# Allegro board PROC048A_BRD.brd (continued)
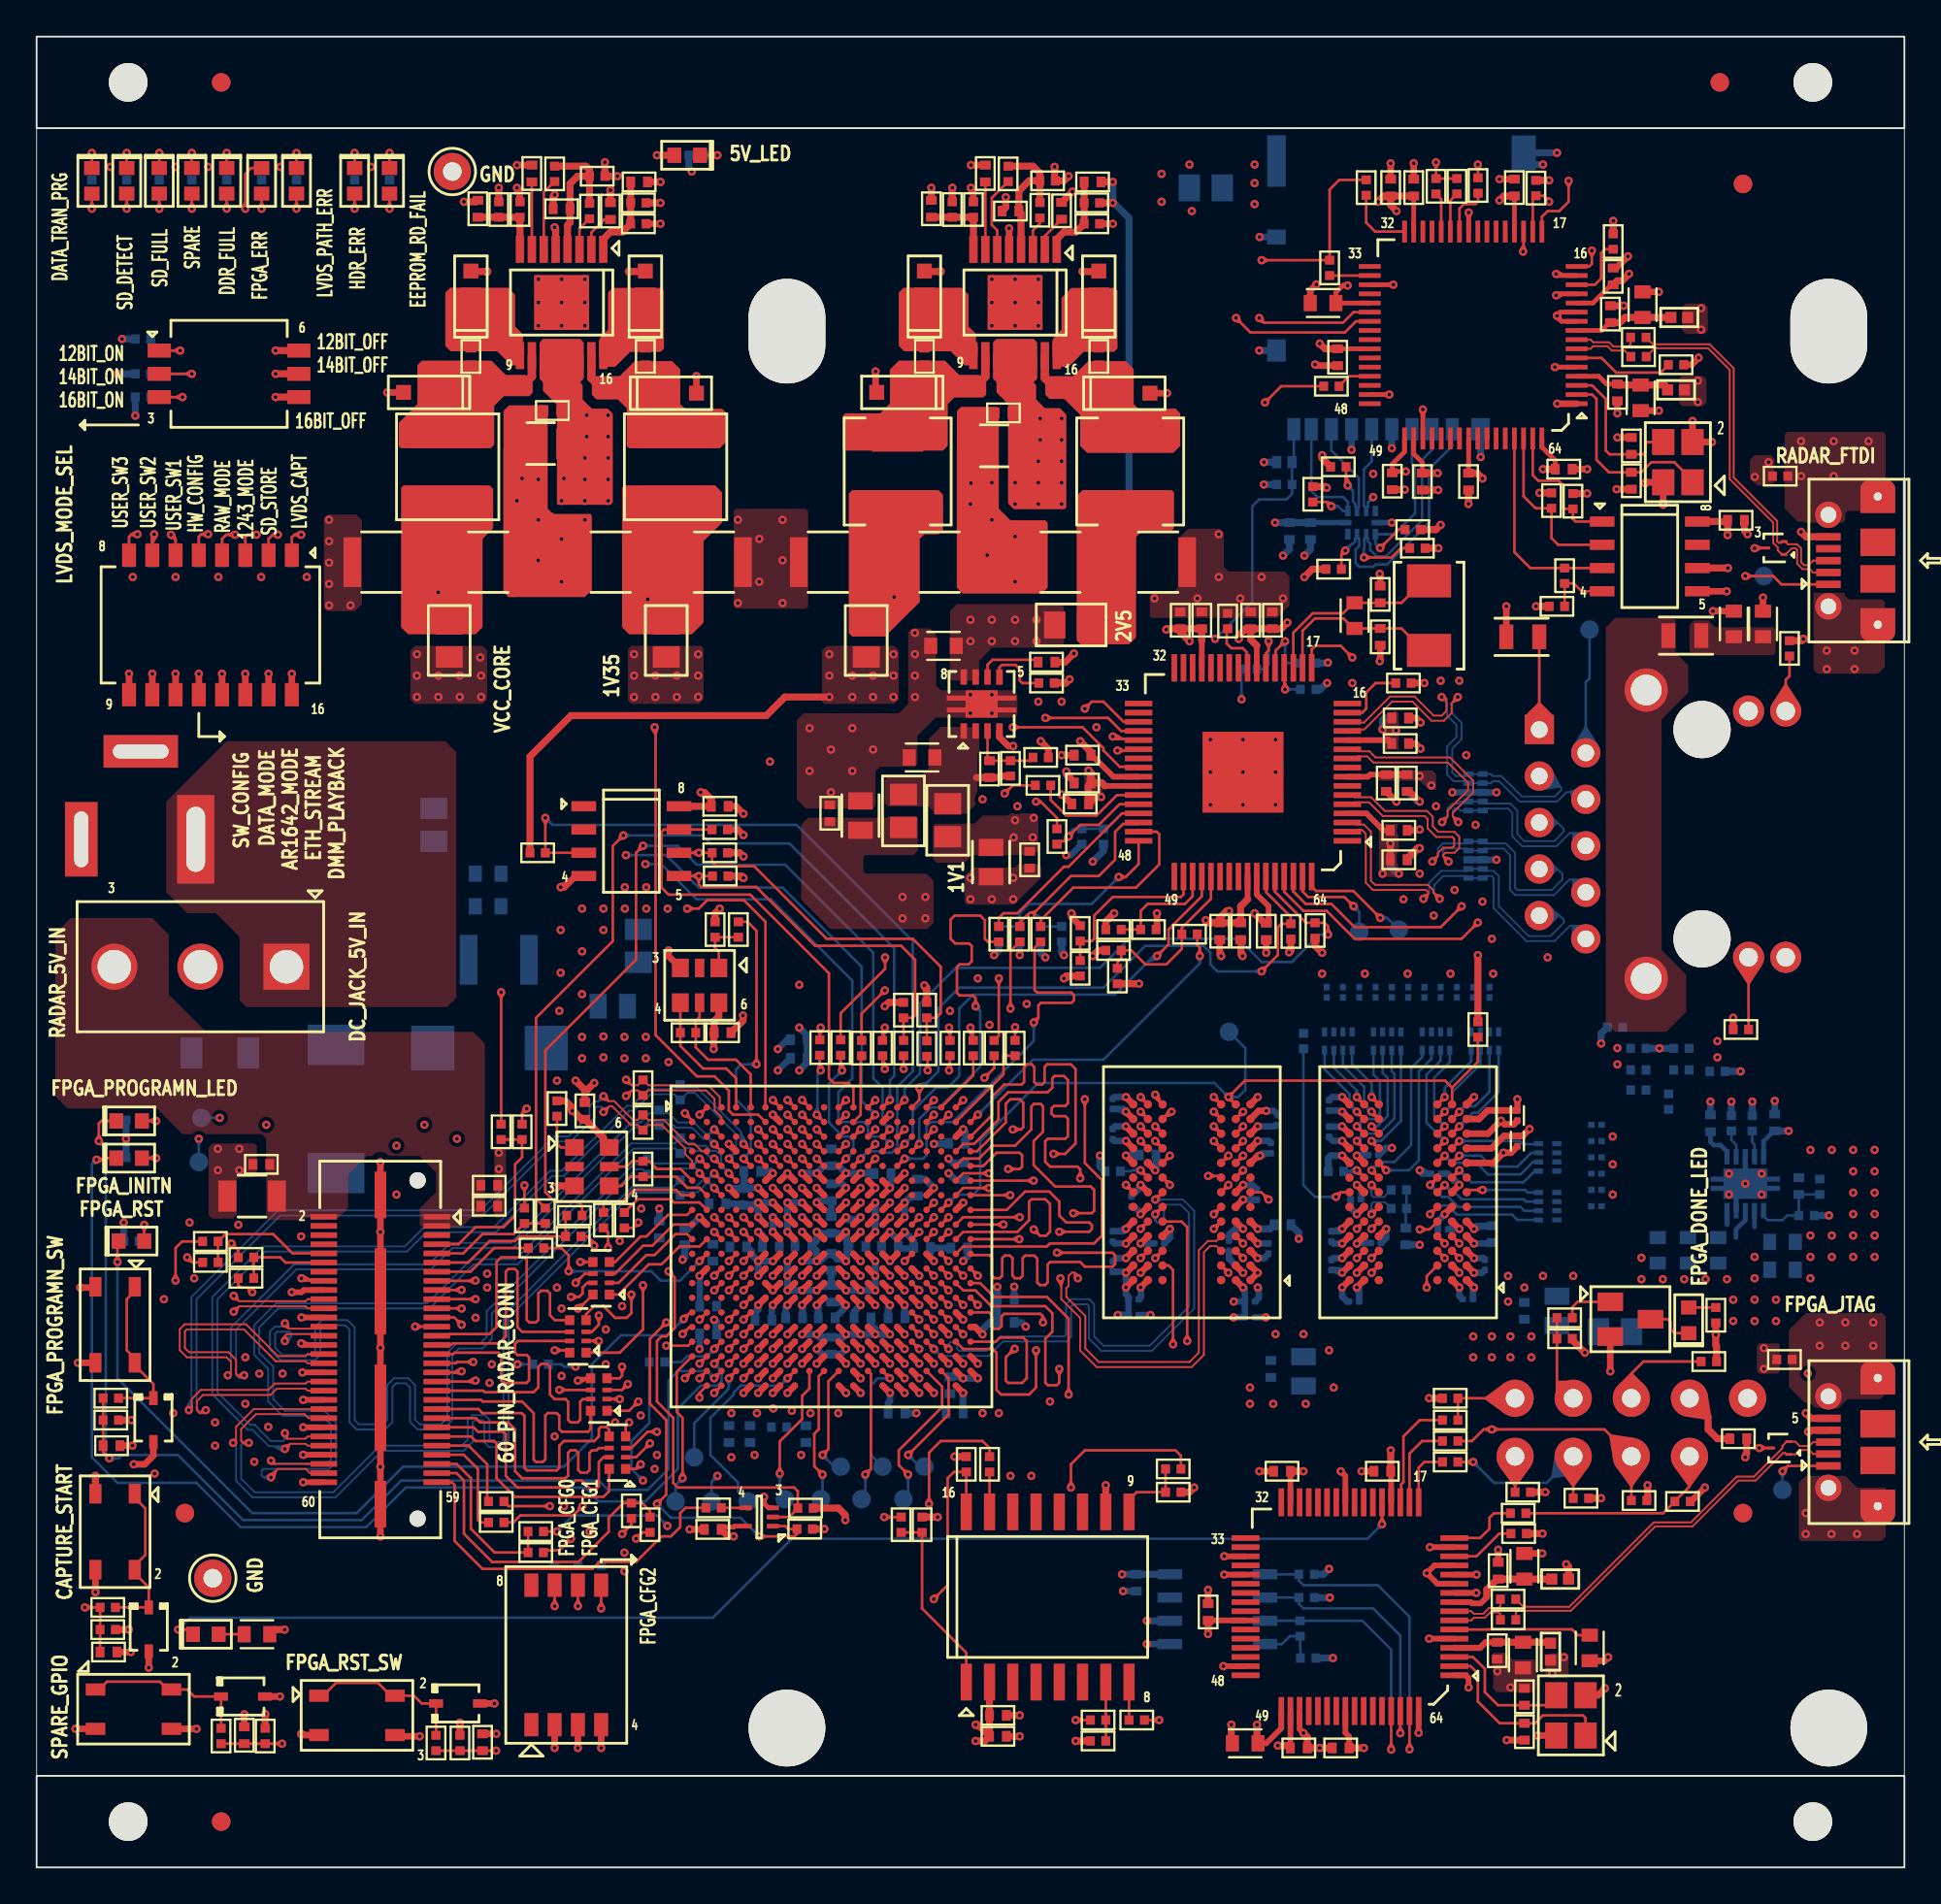
[diagram p0: board, top side]
## Routing (per net, layer and track width the routed paths; a pad name or vN(x,y) marks a point on that pad's centre or on a via; arc(x,y) is an arc through that point) (continued)
ETH_D3N: length 20.9
  TOP w0.102: U6.14 71.81,62.57 71.85,62.53 72.48,62.53 73.91,63.95 75.25,63.95 76.29,62.91 76.74,62.91 76.99,63.17 76.99,63.83 76.89,63.93 v1(76.73,63.93)
  BOTTOM w0.102: J6.4 83.76,58.76 83.53,58.72 83.03,58.21 80.99,58.21 79.88,59.33 79.52,59.33 79.41,59.22 U17.2 U17.9 78.09,59.33 77.39,59.33 77.03,59.69 77.03,61.24 77.54,61.74 77.54,62.4 77.03,62.91 77.03,63.62 v1(76.73,63.93)
ETH_D3P: length 20.9
  TOP w0.102: U6.13 71.77,62.07 71.85,62.15 72.5,62.15 74.02,63.67 75.14,63.67 76.18,62.63 76.85,62.63 77.27,63.05 77.27,63.58 v1(77.62,63.93)
  BOTTOM w0.102: v1(77.62,63.93) 77.31,63.62 77.31,63.03 77.82,62.52 77.82,61.63 77.31,61.12 77.31,59.8 77.5,59.61 78.09,59.61 U17.10 U17.1 79.41,59.72 79.52,59.61 79.99,59.61 81.11,58.49 82.91,58.49 83.26,58.85 83.26,58.99 83.23,59.03 J6.3
ETH_INT: length 36
  TOP w0.14: U6.60 67.63,53.29 69.32,51.6 R58.2 70.33,51.6 70.53,51.4 v1(70.53,50.95) ; U12.A15 v1(47.4,41.91)
  BOTTOM w0.14: v1(47.4,41.91) 47.4,42.53 48.24,43.37 48.24,47.18 50.2,49.13 58.07,49.13 59.66,50.72 65.63,50.72 66.9,49.45 68.55,49.45 70.05,50.95 v1(70.53,50.95)
FB1_REGA: length 4.7
  TOP w0.381: U1.1 30.94,88.94 31.34,89.33 31.99,89.33 R18.1 R10.2 C5.2
FB1_REGB: length 4.7
  TOP w0.381: C6.2 R11.2 R19.1 56.76,89.33 56.1,89.33 55.71,88.94 U2.1
FB2_REGA: length 4.1
  TOP w0.381: C10.2 R12.2 R13.1 U1.8
FB2_REGB: length 4.1
  TOP w0.381: U2.8 R15.1 R14.2 C11.2
FPGA_DDR3_CLK_IN_N: length 7.9
  TOP w0.14: U12.A5 39,43.31 38.19,44.12 36.67,44.12 35.99,44.79 R71.2 35.99,46.23 36.2,46.44 U8.5
FPGA_DDR3_CLK_IN_P: length 7.7
  TOP w0.14: U8.4 R71.1 35.15,44.87 36.39,43.63 37.66,43.63 38.2,43.09 U12.A4
FPGA_ERR_LED2: length 77.8
  TOP w0.14: U12.D10 v1(42.6,39.51) ; v1(11.4,90.6) 11.4,92.5 11.72,92.82 LD5.1
  L03_SIG1 w0.107: v1(42.6,39.51) 42.99,39.51 43.43,39.95 43.43,41.31 43.43,42.23 43.58,42.39 43.58,58.01 43.91,58.34 43.91,73.07 42.89,74.09 27.53,74.09 11.4,90.22 v1(11.4,90.6)
FPGA_HOST_INT: length 45.2
  TOP w0.14: R97.1 7.95,34.19 7.59,33.83 v1(7.59,32.05) ; U12.M3 v1(37,32.31)
  L03_SIG1 w0.107: v1(28.29,23.54) 16.22,23.54 14.95,24.81 11.02,24.81 7.59,28.24 v1(7.59,32.05)
  L08_SIG2 w0.107: v1(37,32.31) 36.61,31.92 34.64,31.92 30.96,28.24 29.18,28.24 28.03,27.1 28.03,23.8 v1(28.29,23.54)
FPGA_MCU_RSTN: length 25.4
  TOP w0.14: U12.N3 v1(37,31.51) ; v1(34.38,29.76) 33.5,28.88 33.5,25.32 34.38,24.43 34.38,20.37 v1(33.88,19.86) ; v1(39.46,18.08) 41.39,18.08 41.53,18.22 R147.2 41.04,18.48 40.88,18.64 U13.1
  L08_SIG2 w0.107: v1(34.38,29.76) 34.38,30.65 35.25,31.51 v1(37,31.51)
  BOTTOM w0.14: v1(39.46,18.08) 38.45,19.1 34.64,19.1 v1(33.88,19.86)
FPGA_RST: length 80.5
  TOP w0.14: v1(25.09,6.38) C96.2 R162.2 R161.1 ; v1(4.41,33.07) 4.41,34.15 LD13.1 ; U12.R1 35.7,30.31 v1(35.34,29.96)
  L03_SIG1 w0.107: v1(25.09,6.38) 27.16,8.45 27.16,14.67 32.99,20.49 33.24,20.49 34.77,22.02 34.77,27.22 35.27,27.73 35.27,28.49 35.78,29 35.78,29.51 v1(35.34,29.96)
  BOTTOM w0.14: v1(35.34,29.96) 34.45,29.07 31.91,29.07 30.32,27.48 30.32,23.41 28.8,21.89 20.02,21.89 17.48,19.35 11.78,19.35 4.41,26.72 v1(4.41,33.07)
FPGA_SPI_CS: length 29.7
  TOP w0.14: U12.E13 v1(45.8,38.71) ; R86.1 26.51,41.19 v1(26.76,41.45)
  L08_SIG2 w0.107: v1(45.8,38.71) 45.42,38.33 41.64,38.33 41.38,38.59 41.38,38.95 41.22,39.11 39.92,39.11 39.8,39.24 39.8,42.64 35.91,46.53 29.69,46.53 26.76,43.61 v1(26.76,41.45)
FPGA_SPI_MISO: length 67.3
  TOP w0.14: R90.1 11.01,33.7 v1(10.64,34.08) ; U12.D14 v1(46.6,39.51)
  L03_SIG1 w0.107: v1(33.24,54.8) 32.77,54.32 32.77,51.86 27.69,46.78 13.81,46.78 7.97,40.94 7.97,36.75 v1(10.64,34.08)
  BOTTOM w0.14: v1(46.6,39.51) 46.6,39.52 46.2,39.92 45.64,39.92 45.4,40.15 45.4,40.48 45.17,40.71 44.01,40.71 43.78,40.94 43.78,42.34 44.54,43.1 44.54,48.43 40.1,52.88 36.04,52.88 34.12,54.8 v1(33.24,54.8)
FPGA_SPI_MOSI: length 49.6
  TOP w0.14: R99.1 29.79,36.14 29.56,36.37 28.29,36.37 27.78,36.88 27.78,44.62 32.73,49.58 32.73,55.42 v1(33.11,55.8) ; U12.C14 v1(46.6,40.31)
  BOTTOM w0.14: v1(46.6,40.31) 46.2,40.72 46.2,42.59 45.69,43.1 45.69,49.96 40.88,54.76 36.06,54.76 35.02,55.8 v1(33.11,55.8)
FPGA_SPI_SCK: length 48.8
  TOP w0.14: U12.A14 v1(46.6,41.91) ; R92.1 27.27,36.52 27.27,46.4 31.46,50.59 31.46,55.79 v1(32.04,56.37)
  BOTTOM w0.14: v1(46.6,41.91) 46.6,43 46.83,43.23 46.83,50.21 41.12,55.93 36.8,55.93 36.36,56.37 v1(32.04,56.37)
FPGA_UART_RX: length 38.3
  TOP w0.14: R142.1 v1(28.42,18.34) ; U12.A13 v1(45.8,41.91)
  L03_SIG1 w0.107: v1(34.45,18.65) 36.67,20.87 36.67,25.04 38.22,26.59 38.22,30.07 38.44,30.3 38.72,30.3 38.98,30.56 38.98,37.23 39.26,37.51 42.74,37.51 43.15,37.92 43.15,38.2 44.08,39.13 44.36,39.13 45.38,40.16 45.38,41.49 v1(45.8,41.91)
  BOTTOM w0.14: v1(28.42,18.34) 29.3,19.22 33.88,19.22 v1(34.45,18.65)
FPGA_UART_TX: length 73.9
  TOP w0.14: v1(32.73,17.95) 33.08,18.3 R139.1 ; U12.B13 v1(45.8,41.11)
  L08_SIG2 w0.107: v1(32.73,17.95) 32.73,18.39 31.9,19.22 27.78,19.22 27.27,19.73 27.27,33.07 23.84,36.5 23.84,49.96 29.18,55.29 v1(32.18,55.29)
  BOTTOM w0.14: v1(32.18,55.29) 34.38,55.29 36.16,53.51 40.73,53.51 45.05,49.2 45.05,41.86 v1(45.8,41.11)
FT_FPGA_RF_EP_I2C_SCL: length 143.3
  TOP w0.14: v1(29.81,19.73) 29.3,19.22 26.42,19.22 26.04,18.84 R141.1 ; U7.6 v1(36.16,55.42) R51.2 36.89,54.92 37.11,54.69 39.18,54.69 43.15,50.72 47.85,50.72 49.37,49.2 49.37,46.66 49.12,46.41 R68.2 48.61,45.74 48.62,45.73 R81.1 ; R3.1 78.72,93 v1(78.71,93.01)
  L08_SIG2 w0.107: v1(78.71,93.01) 77.31,91.61 73.25,91.61 68.04,86.41 68.04,83.23 67.02,82.22 51.15,82.22 44.29,75.36 40.86,75.36 36.8,71.29 36.8,57.96 36.16,57.32 v1(36.16,55.42) 36.67,54.91 36.67,52.88 35.43,51.64 28.19,51.64 24.73,48.18 24.73,37 27.78,33.96 27.78,21.76 v1(29.81,19.73)
FT_FPGA_RF_EP_I2C_SDA: length 139.1
  TOP w0.14: R76.1 47.35,45.91 47.34,45.92 R67.2 47.84,46.41 47.97,46.54 47.97,49.58 47.21,50.34 42.51,50.34 39.3,53.55 36.31,53.55 36.16,53.7 v1(36.16,54.15) ; v1(36.16,54.15) U7.5 ; v1(36.16,54.15) 36.42,54.15 R52.2 ; v1(76.42,93.14) R4.1 R5.1 ; R136.1 25.77,19.73 v1(28.03,19.73)
  L08_SIG2 w0.107: v1(76.42,93.14) 75.53,92.25 72.99,92.25 67.53,86.79 67.53,84.37 66.01,82.85 51.02,82.85 44.04,75.87 39.34,75.87 35.53,72.06 35.53,55.29 36.16,54.66 v1(36.16,54.15) 30.11,54.15 24.22,48.27 24.22,36.75 27.53,33.45 27.53,20.24 v1(28.03,19.73)
FTDI1_VDD_1V8: length 7.2
  TOP w0.305: C97.1 67.15,6.78 67.97,7.6 U15.49 ; U15.12 v1(78.64,15.99) ; U15.37 v1(64.85,15.99) ; U15.64 v1(75.47,7.35)
  TOP w0.381: v1(66.64,7.79) 66.64,6.84 C97.1
FTDI1_VPHY: length 5.4
  TOP w0.33: C88.1 79.13,12.3 78.82,11.99 U15.4
  TOP w0.381: C88.1 C90.1 82.62,12.3 FB4.2
FTDI1_VPLL: length 6.1
  TOP w0.305: 79.19,14.83 79.19,14.75 78.86,14.42 78.39,14.42 78.31,14.49 U15.9
  TOP w0.381: FB3.2 C85.1 C86.1 79.77,15.75 79.19,15.17 79.19,14.83
FTDI2_VCORE: length 12.3
  TOP w0.254: C14.1 85.98,86.44 84.99,85.45 U3.12 ; U3.64 82.2,77.58 82.94,76.84 C30.1 ; v1(71.6,86.41) 71.34,86.41 70.95,86.03 C15.1 U3.37 ; U3.49 74.7,77.32 74.03,76.65 C32.1 74.1,76.25 v1(74.77,76.25)
  TOP w0.381: v1(82.26,76.37) C30.1 ; v1(86.96,87.04) 86.58,86.66 86.32,86.66 C14.1
FTDI2_VPHY: length 5.3
  TOP w0.254: U3.4 85.31,81.45 85.73,81.02 C23.1
  TOP w0.381: FB2.2 89.07,80.81 88.91,80.97 C24.1 86.38,80.97 C23.1
FTDI2_VPLL: length 5.4
  TOP w0.254: U3.9 85.46,83.95 85.9,84.38 C17.1
  TOP w0.381: FB1.2 C16.1 86.74,84.66 86.46,84.38 C17.1
FTDI_HOST_INT: length 104
  TOP w0.14: R100.1 8.5,33.05 v1(8.22,33.32) ; v1(66.9,87.79) R22.1 70.61,91.65 71.14,92.17 R6.1
  L08_SIG2 w0.107: v1(66.9,87.79) 52.53,87.79 43.53,78.79 36.54,78.79 26.38,68.63 26.38,56.69 20.41,50.72 20.41,42.21 11.52,33.32 v1(8.22,33.32)
FTDI_JTAG_ACT: length 70.2
  TOP w0.14: LD15.1 8.28,12.99 v1(7.73,12.99) ; U15.21 v1(73.47,18.74)
  BOTTOM w0.14: v1(7.73,12.99) 8.38,13.64 36.92,13.64 41.24,17.95 72.68,17.95 v1(73.47,18.74)
FTDI_JTAG_TCK: length 73.5
  TOP w0.14: R140.2 88.82,19.34 R135.1 89.46,20 90.26,20.8 TP9.1 ; U12.T5 v1(38.6,29.11)
  L08_SIG2 w0.107: TP9.1 88.64,24.08 88.64,26.82 87.85,27.61 85.18,27.61 84.8,27.22 79.47,27.22 76.62,24.38 40.92,24.38 40.61,24.68 40.61,29.38 40.48,29.51 39,29.51 v1(38.6,29.11)
FTDI_JTAG_TDI: length 56.5
  TOP w0.14: U12.R5 v1(38.6,29.91) ; R124.2 v1(78.45,22.14) ; R133.1 TP7.1
  L08_SIG2 w0.107: v1(38.6,29.91) 38.22,29.53 38.22,28.96 38.48,28.7 39.56,28.7 39.82,28.43 39.82,24.84 40.61,24.05 74.26,24.05 76.17,22.14 v1(78.45,22.14)
  BOTTOM w0.14: TP7.1 82.47,21 79.6,21 v1(78.45,22.14)
FTDI_JTAG_TDO: length 62
  TOP w0.14: R134.1 TP8.1 85.62,23.92 v1(79.47,23.92) 79.02,23.92 78.38,23.29 R121.2 ; U12.V4 v1(37.8,27.51)
  L08_SIG2 w0.107: v1(79.47,23.92) 79.34,23.8 79.34,21.76 78.33,20.75 74.01,20.75 72.1,22.65 54.07,22.65 53.31,23.41 39.08,23.41 38.38,24.12 38.38,25.27 38.22,25.42 38.22,27.1 v1(37.8,27.51)
FTDI_JTAG_TMS: length 55.9
  TOP w0.14: R118.2 R115.1 TP1.1 ; U12.U5 v1(38.6,28.31)
  L08_SIG2 w0.107: TP1.1 79.39,25.62 78.89,25.12 78.89,21.97 78.18,21.26 74.77,21.26 73.05,22.98 54.63,22.98 53.82,23.8 39.34,23.8 38.83,24.3 38.83,25.26 38.98,25.41 38.98,27.93 v1(38.6,28.31)
FTDI_MCU_RSTN: length 109.7
  TOP w0.14: v1(34.51,32.56) 34.84,32.23 34.84,29.46 34.38,29 34.13,29 33.88,28.75 33.88,25.45 34.77,24.56 34.77,21 35.02,20.75 41.37,20.75 41.57,20.55 R144.2 41.57,19.61 41.09,19.14 U13.2 ; R26.1 67.97,80.9 v1(67.08,80.02)
  L08_SIG2 w0.107: v1(34.51,32.56) 34.13,32.56 31.97,34.72 28.54,34.72 26.13,37.13 26.13,40.31 25.75,40.69 25.75,45 29.05,48.31 36.16,48.31 39.03,51.17 39.03,53.86 39.04,53.87 39.04,57.73 39.03,57.74 39.03,68.07 50.98,80.02 v1(67.08,80.02)
FTDI_UART_RXD: length 107.7
  TOP w0.14: U3.38 71.92,84.95 71.34,84.37 67.02,84.37 v1(66.77,84.63) ; R146.1 27.8,17.32 28.54,17.32 v1(29.18,17.95)
  L08_SIG2 w0.107: v1(29.18,17.95) 28.67,17.95 28.54,17.83 27.91,17.83 27.02,18.72 27.02,32.43 23.46,35.99 23.46,50.59 29.56,56.69 29.56,67.23 38.83,76.5 43.78,76.5 50.77,83.49 65.63,83.49 v1(66.77,84.63)
FTDI_UART_TXD: length 112.3
  TOP w0.14: U3.39 72.05,84.45 71.44,83.84 66.29,83.84 v1(65.5,84.63) ; R138.1 32.48,18.72 v1(31.97,18.21)
  L08_SIG2 w0.107: v1(31.97,18.21) 31.21,17.45 27.91,17.45 26.76,18.59 26.76,31.92 22.32,36.37 22.32,50.85 28.42,56.94 28.42,66.98 38.58,77.14 43.53,77.14 51.33,84.94 65.19,84.94 v1(65.5,84.63)
FTDI_USB1_DM: length 21.3
  TOP w0.102: R152.1 80.78,13.92 80.88,14.02 83.79,14.02 88.4,18.63 90.43,18.63 92.93,21.13 93.87,21.13 95.37,22.63 95.49,22.63 95.57,22.56 D11.1 96.04,22.56 96.28,22.8 96.42,22.8 96.43,22.8 96.8,22.8 97.02,22.58 J4.2
FTDI_USB1_DM_C: length 3
  TOP w0.102: R152.2 79.94,13.83 79.84,13.93 79.48,13.93 79.38,13.93 79.09,13.63 78.49,13.63 78.35,13.49 U15.7
FTDI_USB1_DP: length 21.2
  TOP w0.102: J4.3 97.02,23.23 96.8,23.01 96.52,23.01 96.51,23.01 96.28,23.01 96.04,23.26 D11.2 95.57,23.26 95.34,23.03 95.34,22.91 93.78,21.34 92.84,21.34 90.34,18.84 88.31,18.84 83.7,14.23 81.2,14.23 R150.1
FTDI_USB1_DP_C: length 3.1
  TOP w0.102: U15.8 78.35,13.99 78.49,13.85 79,13.85 79.32,14.17 79.84,14.17 79.94,14.27 R150.2
FTDI_USB2_DM: length 20.2
  TOP w0.102: R24.1 88.36,82.98 91.28,82.98 92.46,81.8 92.46,75.83 94.84,73.45 94.84,72.34 95.08,72.1 95.08,71.95 95.31,71.72 D9.1 95.52,71.72 95.85,72.06 96.04,72.06 96.15,71.95 96.15,71.2 96.44,70.91 96.83,70.91 97.02,70.73 J1.2
FTDI_USB2_DM_C: length 3.3
  TOP w0.102: U3.7 84.86,82.95 85,83.09 85.78,83.09 86.02,82.85 86.73,82.85 R24.2
FTDI_USB2_DP: length 19.9
  TOP w0.102: R23.1 88.27,83.19 91.37,83.19 92.68,81.89 92.68,75.92 95.05,73.54 95.05,72.43 95.14,72.35 95.26,72.35 95.33,72.42 D9.2 95.49,72.42 95.64,72.27 96.13,72.27 96.36,72.04 96.36,71.29 96.53,71.13 96.77,71.13 97.02,71.38 J1.3
FTDI_USB2_DP_C: length 3.5
  TOP w0.102: U3.8 84.86,83.45 85,83.31 85.87,83.31 86.11,83.07 86.92,83.07 87.05,83.19 R23.2
GPIO_PHY_RESETN: length 32.8
  TOP w0.14: U6.59 67.15,54.1 67.15,53.26 68.48,51.93 68.48,51.54 ; v1(66.9,48.94) 67.79,49.83 67.79,51.35 67.98,51.54 68.48,51.54 ; R57.2 68.48,51.54 ; v1(48.2,42.59) 48.2,41.91 U12.A16
  BOTTOM w0.14: v1(48.2,42.59) 48.35,42.59 49.24,43.48 49.24,46.91 50.39,48.05 58.26,48.05 60.55,50.34 63.72,50.34 64.1,49.96 64.1,49.32 64.48,48.94 v1(66.9,48.94)
HEADER_ERR_LED4: length 75.2
  TOP w0.14: LD8.1 v1(17.37,93.65) ; U12.B11 v1(44.2,41.11)
  L03_SIG1 w0.107: v1(17.37,93.65) 16.86,93.14 16.86,89.84 29.18,77.52 43.02,77.52 46.11,74.42 46.11,57.88 45.56,57.32 45.56,42.73 44.54,41.71 44.54,41.45 v1(44.2,41.11)
HOST_INT: length 7.5
  TOP w0.14: J3.10 13.98,33.54 12.92,34.59 10.31,34.59 R97.2 R100.2
INITN: length 128.9
  TOP w0.14: LD12.1 3.74,38.74 3.65,38.65 v1(3.27,38.65) ; U12.V3 v1(37,27.51) ; R111.2 87.75,27.63 87.09,26.97 TP3.1
  L08_SIG2 w0.107: v1(37,27.51) 36.62,27.13 36.62,22.96 38.07,21.51 39.85,21.51 40.48,20.87 55.63,20.87 56.26,21.51 64.99,21.51 67.28,19.22 83.66,19.22 85.57,21.13 85.57,25.45 85.74,25.62 TP3.1
  BOTTOM w0.14: v1(3.27,38.65) 3.02,38.4 3.02,22.4 4.41,21 8.73,21 11.14,18.59 18,18.59 20.16,20.75 29.94,20.75 30.7,19.99 33.24,19.99 35.02,21.76 35.02,25.07 36.27,26.32 37.17,26.32 37.4,26.55 37.4,27.11 v1(37,27.51)
LED_ACTN: length 34.2
  TOP w0.14: v1(78.71,51.61) 77.82,50.72 71.98,50.72 70.45,52.24 69.18,52.24 68.13,53.3 U6.61
  L08_SIG2 w0.107: J6.12 95.52,49.71 95.52,48.1 94.33,46.91 82.52,46.91 78.71,50.72 v1(78.71,51.61)
LED_LINKN: length 40.1
  TOP w0.14: v1(77.82,52.5) 76.68,51.35 71.98,51.35 70.71,52.62 69.31,52.62 68.63,53.3 U6.62
  L08_SIG2 w0.107: J6.13 93.49,64.89 92.42,65.96 82.01,65.96 79.09,63.04 79.09,53.77 v1(77.82,52.5)
LED_SPEED: length 5.5
  TOP w0.14: v1(71.93,52.5) 71.42,53.01 69.44,53.01 69.13,53.31 U6.63
  BOTTOM w0.14: TP12.1 72.23,52.19 v1(71.93,52.5)
LVDS_0M: length 48.6
  TOP w0.102: v1(12.79,21.3) 12.79,21.38 13.18,21.76 14.7,21.76 14.93,21.54 J3.58 ; U12.E3 v1(37,38.71)
  BOTTOM w0.102: v1(12.79,21.3) 12.39,21.3 12.29,21.4 12.29,21.66 12.39,21.76 15.97,21.76 16.35,22.14 16.35,24.3 15.72,24.94 13.56,24.94 12.92,25.57 12.92,27.35 12.16,28.11 12.16,29.5 13.19,30.53 21.45,30.53 23.86,32.94 26.27,32.94 32.6,39.26 34.88,39.26 R203.2 35.44,39.29 35.77,39.29 35.92,39.14 36.43,39.14 36.71,38.86 36.86,38.86 v1(37,38.71)
LVDS_0P: length 48.6
  TOP w0.102: v1(12.79,22.22) 12.97,22.04 14.82,22.04 14.82,22.04 J3.56 ; U12.F4 v1(37.8,37.91)
  BOTTOM w0.102: v1(12.79,22.22) 12.97,22.04 15.85,22.04 16.07,22.26 16.07,24.19 15.6,24.66 13.44,24.66 12.64,25.46 12.64,27.24 11.88,28 11.88,29.61 13.07,30.81 21.33,30.81 23.74,33.22 26.16,33.22 32.48,39.54 34.85,39.54 R203.1 35.41,39.57 35.88,39.57 36.04,39.42 36.54,39.42 36.83,39.14 37.12,39.14 37.38,38.87 37.38,38.34 v1(37.8,37.91)
LVDS_1M: length 48.8
  TOP w0.102: J3.52 14.8,23.04 14.7,23.14 13.84,23.14 v1(13.56,22.85) ; U12.D5 v1(38.6,39.51)
  BOTTOM w0.102: v1(38.6,39.51) 38.47,39.64 38.47,40.17 36.05,42.59 35.31,42.59 R198.2 34.88,42.49 34.64,42.51 33.42,42.51 32.51,41.6 32.24,41.6 28.68,38.05 28.05,38.05 24.97,34.97 21.16,34.97 20.11,33.92 12.36,33.92 9.59,31.15 9.59,25.84 11.54,23.9 11.79,23.9 12.68,23.01 13.41,23.01 v1(13.56,22.85)
LVDS_1P: length 48.9
  TOP w0.102: U12.E4 v1(37.8,38.71) ; J3.50 14.8,23.54 14.68,23.41 13.68,23.41 13.56,23.54 v1(13.56,23.72)
  BOTTOM w0.102: v1(37.8,38.71) 38.19,39.11 38.19,40.05 35.93,42.31 35.54,42.31 R198.1 34.85,42.21 34.62,42.23 33.53,42.23 32.62,41.32 32.35,41.32 28.8,37.77 28.16,37.77 25.09,34.69 21.28,34.69 20.22,33.64 12.48,33.64 9.87,31.03 9.87,25.95 11.65,24.18 11.91,24.18 12.79,23.29 13.46,23.29 13.56,23.39 v1(13.56,23.72)
LVDS_2M: length 49
  TOP w0.102: U12.E1 35.8,38.58 35.42,38.96 35.42,39.27 34.14,40.55 33.4,40.55 R84.2 32.83,40.55 32.45,40.55 31.43,41.58 31.27,41.58 v1(30.96,41.26) ; v1(9.24,24.98) 9.24,24.91 9.14,24.81 8.9,24.81 8.76,24.96 8.76,25.47 9.09,25.8 12.77,25.8 13.11,26.15 14.69,26.15 14.8,26.04 J3.40
  BOTTOM w0.102: v1(9.24,24.98) 9.11,24.84 8.96,24.84 8.73,25.08 8.73,31.03 13.3,35.61 24.35,35.61 28.39,39.65 29.17,39.65 30.47,40.95 30.47,41.45 30.57,41.55 30.85,41.55 30.96,41.45 v1(30.96,41.26)
LVDS_2P: length 49
  TOP w0.102: J3.38 14.8,26.54 14.69,26.43 13,26.43 12.65,26.08 8.97,26.08 8.48,25.59 8.48,25.14 v1(8.31,24.98) ; U12.D2 36.34,39.11 35.96,39.49 35.59,39.49 34.26,40.83 33.4,40.83 R84.1 32.83,40.83 32.57,40.83 31.54,41.86 31.22,41.86 v1(30.96,42.12)
  BOTTOM w0.102: v1(30.96,42.12) 30.66,41.83 30.46,41.83 30.19,41.56 30.19,41.07 29.05,39.92 28.27,39.92 24.24,35.89 13.19,35.89 8.45,31.15 8.45,25.12 v1(8.31,24.98)
LVDS_3M: length 48.9
  TOP w0.102: v1(11.34,26.88) 11.3,26.84 11.02,26.84 10.89,26.97 10.89,27.73 10.48,28.14 8.32,28.14 8.1,28.37 8.1,29.28 8.2,29.38 11.32,29.38 13.06,27.65 14.69,27.65 14.8,27.54 J3.34 ; U12.D3 v1(37,39.51)
  BOTTOM w0.102: v1(11.34,26.88) 11.19,26.73 11.04,26.73 10.89,26.88 10.89,29.37 14.18,32.66 21.53,32.66 22.7,33.83 26.02,33.83 32.6,40.41 33.09,40.41 33.48,40.8 33.72,40.8 R200.2 34.33,40.84 34.47,40.84 34.9,40.41 35.79,40.41 36.4,39.8 36.72,39.8 v1(37,39.51)
LVDS_3P: length 48.9
  TOP w0.102: J3.32 14.8,28.04 14.69,27.93 13.18,27.93 11.44,29.66 8.08,29.66 7.82,29.4 7.82,28.25 8.21,27.86 10.37,27.86 10.61,27.62 10.61,27.05 v1(10.44,26.88) ; U12.C3 v1(37,40.31)
  BOTTOM w0.102: v1(10.44,26.88) 10.61,27.05 10.61,29.49 14.06,32.94 21.42,32.94 22.59,34.11 25.9,34.11 32.48,40.69 32.97,40.69 33.48,41.19 33.84,41.19 R200.1 34.17,41.19 34.51,41.19 35.02,40.69 35.91,40.69 36.52,40.08 36.77,40.08 v1(37,40.31)
LVDS_12BIT_MODE_ON: length 73.6
  TOP w0.14: U12.A6 39.8,51.65 38.62,52.83 36.63,52.83 36.16,52.37 v1(35.53,52.37) ; v1(7.84,82.85) SW1.1
  L03_SIG1 w0.107: v1(7.84,82.85) 4.67,82.85 3.9,82.09 3.9,73.07 7.84,69.13 12.54,69.13 23.34,58.34 32.99,58.34 35.53,55.8 v1(35.53,52.37)
  BOTTOM w0.14: v1(7.84,82.85) 6.85,82.85 6.23,83.47 R223.1
LVDS_14BIT_MODE_ON: length 62.7
  TOP w0.14: U12.B6 39.4,41.12 38.03,41.12 37.8,41.35 37.8,42.43 37.02,43.21 36.06,43.21 33.8,45.46 33.8,62.23 v1(33.75,62.28) ; SW1.2 v1(8.48,81.58)
  L03_SIG1 w0.107: v1(33.75,62.28) 33.5,62.28 14.83,80.95 10,80.95 9.37,81.58 v1(8.48,81.58)
  BOTTOM w0.14: R222.1 v1(8.48,81.58)
LVDS_16BIT_MODE_ON: length 72.7
  TOP w0.14: U12.D7 v1(40.2,39.51) ; SW1.3 v1(7.97,80.31)
  L03_SIG1 w0.107: v1(7.97,80.31) 7.71,80.56 7.71,81.86 8.08,82.22 14.57,82.22 26,70.79 37.69,70.79 40.05,68.43 v1(40.05,60.4)
  L08_SIG2 w0.107: v1(40.05,60.4) 40.05,43.43 40.58,42.89 40.58,39.9 40.2,39.52 v1(40.2,39.51)
  BOTTOM w0.14: R224.1 v1(7.97,80.31)
LVDS_CAPTURE: length 55.2
  TOP w0.14: SW2.1 13.94,72.65 14.08,72.79 v1(14.45,72.79) ; U12.E8 v1(41,38.71)
  L03_SIG1 w0.107: v1(41,38.71) 40.61,39.11 40.61,39.67 40.35,39.93 40.04,39.93 39.82,40.16 39.82,40.43 36.54,43.71 36.54,52.5 37.18,53.13 37.18,56.18 34,59.36 23.84,59.36 14.19,69.01 14.19,72.54 v1(14.45,72.79)
  BOTTOM w0.14: v1(14.45,72.79) 14.08,72.79 13.94,72.65 R173.2
LVDS_CLKM: length 49.1
  TOP w0.102: v1(11.59,23.19) 11.27,23.19 11.17,23.29 11.17,23.95 11.98,24.76 14.63,24.76 14.85,24.54 J3.46 ; U12.F3 v1(37,37.91)
  BOTTOM w0.102: v1(37,37.91) 36.74,37.65 36.48,37.65 35.99,37.16 35.54,37.16 R208.2 34.73,37.13 32.48,37.13 25.49,30.15 25.49,23.33 25.39,23.23 24.83,23.23 24.73,23.33 24.73,24.44 24.47,24.7 23.8,24.7 23.54,24.44 23.54,23.36 23.21,23.03 18.75,23.03 16.21,20.49 11.91,20.49 11.17,21.23 11.17,23.09 11.3,23.21 11.56,23.21 v1(11.59,23.19)
LVDS_CLKP: length 49.1
  TOP w0.102: v1(10.72,23.19) 10.89,23.35 10.89,24.06 11.86,25.04 J3.44 ; U12.G3 v1(37,37.11)
  BOTTOM w0.102: v1(37,37.11) 36.74,37.37 36.6,37.37 36.1,36.88 35.31,36.88 R208.1 35.01,36.85 32.6,36.85 25.77,30.03 25.77,23.22 25.51,22.95 24.72,22.95 24.45,23.22 24.45,24.32 24.35,24.42 23.92,24.42 23.82,24.32 23.82,23.25 23.32,22.75 18.87,22.75 16.33,20.21 11.79,20.21 10.89,21.11 10.89,23.02 v1(10.72,23.19)
LVDS_FRCLKN: length 49.1
  TOP w0.102: U12.E2 v1(36.2,38.71) ; J3.28 15.59,29.13 13.66,29.13 13.56,29.03 v1(13.56,28.75)
  BOTTOM w0.102: v1(13.56,28.75) 13.65,28.75 13.91,29.01 13.91,29.16 13.81,29.26 13.12,29.26 13.02,29.16 13.02,28.39 13.43,27.99 15.08,27.99 15.21,28.11 15.21,29.53 15.57,29.89 16.97,29.89 17.37,29.5 17.37,24.43 17.6,24.2 18.92,24.2 19.14,24.43 19.14,26.35 19.51,26.72 20.29,26.72 20.67,26.34 20.67,24.46 20.92,24.2 22.08,24.2 22.42,24.55 22.42,28.1 22.94,28.62 24.22,28.62 24.58,28.98 24.58,30.37 32.62,38.41 33.09,38.41 R204.2 33.61,38.45 35.94,38.45 v1(36.2,38.71)
LVDS_FRCLKP: length 49
  TOP w0.102: U12.F2 v1(36.2,37.91) ; v1(13.56,29.72) 13.56,29.63 13.77,29.43 15.57,29.43 J3.26
  BOTTOM w0.102: v1(13.56,29.72) 13.38,29.54 13.01,29.54 12.74,29.27 12.74,28.28 13.31,27.71 15.2,27.71 15.49,28 15.49,29.41 15.69,29.61 16.86,29.61 17.09,29.38 17.09,24.32 17.48,23.92 19.03,23.92 19.42,24.32 19.42,26.23 19.63,26.44 20.17,26.44 20.39,26.22 20.39,24.34 20.81,23.92 22.19,23.92 22.7,24.43 22.7,27.99 23.06,28.34 24.34,28.34 24.86,28.86 24.86,30.26 32.74,38.13 33.09,38.13 R204.1 33.69,38.17 36.03,38.17 36.2,38.01 v1(36.2,37.91)
LVDS_PATH_ERR_LED3: length 74.5
  TOP w0.14: U12.A11 v1(44.2,41.91) ; LD7.1 v1(14.19,93.65)
  L03_SIG1 w0.107: v1(44.2,41.91) 45.24,42.96 45.24,74.02 42.89,76.37 29.05,76.37 14.95,90.47 14.95,92.88 v1(14.19,93.65)
LVDS_VALIDM: length 48.8
  TOP w0.102: v1(10.76,30.35) 11.06,30.65 14.69,30.65 14.8,30.54 J3.22 ; v1(32.19,42.13) 32.49,42.44 32.85,42.44 R82.2 33.38,42.44 36.56,42.44 37.02,41.97 37.02,41.36 37.4,40.98 U12.B3
  L03_SIG1 w0.089: v1(32.19,42.13) 32.02,42.3 31.6,42.3 30.45,43.45 19.24,43.45 18.13,42.34 18.13,31 17.61,30.49 16.63,30.49 16.33,30.79 16.33,32.05 16.24,32.14 15.68,32.14 15.59,32.05 15.59,30.79 15.33,30.53 10.94,30.53 v1(10.76,30.35)
LVDS_VALIDP: length 48.8
  TOP w0.102: v1(10.76,31.22) 11.06,30.93 14.69,30.93 14.8,31.04 J3.20 ; v1(32.19,43.02) 32.49,42.72 32.82,42.72 R82.1 33.41,42.72 36.67,42.72 37.31,42.08 37.31,41.61 U12.A3
  L03_SIG1 w0.089: v1(32.19,43.02) 32.19,42.94 31.84,42.59 31.72,42.59 30.57,43.74 19.12,43.74 17.84,42.46 17.84,31.12 17.49,30.78 16.75,30.78 16.62,30.91 16.62,32.17 16.36,32.43 15.56,32.43 15.3,32.17 15.3,30.91 15.21,30.82 10.85,30.82 10.76,30.91 v1(10.76,31.22)
MCU_RSTN: length 20.3
  TOP w0.14: R143.2 35.43,19.64 35.15,19.35 35.15,18.59 34.64,18.08 34.13,18.08 32.73,16.68 30.73,16.68 30.35,16.3 24.35,16.3 22.83,17.83 22.83,20.87 22.67,21.04 J3.59
MDIO_MDC: length 40.7
  TOP w0.14: U6.20 68.13,64.73 68.18,64.68 v1(68.18,64.34) ; v1(46.32,45.87) 46.2,45.74 R75.1
  L08_SIG2 w0.107: v1(68.18,64.34) 54.61,64.34 53.82,63.55 50.39,63.55 46.83,59.99 46.83,49.07 45.81,48.05 45.81,46.38 v1(46.32,45.87)
  BOTTOM w0.14: v1(68.18,64.34) R183.2
MDIO_MDIO: length 47.2
  TOP w0.14: v1(68.18,66.98) 67.66,66.46 67.66,65.55 U6.21 ; R73.1 43.91,46.66 46.33,49.08 v1(46.33,49.7)
  L08_SIG2 w0.107: v1(46.33,49.7) 46.33,65.25 46.67,65.58 66.78,65.58 v1(68.18,66.98)
  BOTTOM w0.14: R181.2 68.34,65.78 68.18,65.95 v1(68.18,66.98)
MEM_VREF: length 5.8
  TOP w0.356: U11.J8 v1(72.1,38.88) ; U10.E1 v1(66.69,34.88) ; U10.J8 v1(61.09,38.08) ; U11.E1 v1(78.5,34.88)
  BOTTOM w0.33: v1(72.1,38.88) 72.13,38.91 72.63,38.91
  BOTTOM w0.381: C139.1 72.63,38.91 ; C159.1 67.36,34.88 v1(66.69,34.88) ; C140.2 61.13,38.13 v1(61.09,38.08) ; C162.2 79.44,35.02 78.64,35.02 v1(78.5,34.88)
  vias: v1(86.33,44.75) v1(86.33,43.86)
OSC_CLKEN: length 15.7
  TOP w0.14: U12.E5 v1(38.6,38.71) ; v1(39.31,43.86) 39.31,51.16 38.82,51.65 R54.1
  BOTTOM w0.14: v1(39.31,43.86) 38.47,43.86 38.19,43.58 38.19,41.96 39,41.15 39,39.11 v1(38.6,38.71)
PG: length 1.5
  BOTTOM w0.14: U19.9 93.81,39.48 93.69,39.6 R201.2
PGOOD: length 10.8
  TOP w0.14: U12.L2 v1(36.2,33.11) ; v1(29.05,32.56) 29.05,33.44 28.66,33.83 R98.1
  BOTTOM w0.14: v1(29.05,32.56) 33.57,32.56 34.08,32.05 35.14,32.05 v1(36.2,33.11)
PHY_JTAG_RESET: length 3
  TOP w0.14: R39.1 65.04,67.53 64.99,67.48 64.99,66.85 65.25,66.59 65.87,66.59 66.08,66.38 66.08,65.57 U6.24
PROGRAMN: length 115.3
  TOP w0.14: v1(3.4,39.67) 3.4,40.63 3.54,40.77 LD11.1 ; U12.W3 v1(37,26.71) ; R132.2 TP6.1 ; v1(3.97,22.34) 3.63,22.68 C81.2 R117.2 R114.1
  L08_SIG2 w0.107: TP6.1 78.53,20.24 69.56,20.24 67.56,22.24 53.59,22.24 52.87,22.96 38.9,22.96 37.43,24.43 37.43,26.28 v1(37,26.71)
  BOTTOM w0.14: v1(3.4,39.67) 3.78,39.29 3.78,22.53 v1(3.97,22.34) 4.48,22.34 4.67,22.53 7.71,22.53 11.27,18.97 17.75,18.97 19.91,21.13 30.7,21.13 31.21,20.62 33.37,20.62 34.51,21.76 34.51,26.59 35.03,27.11 36.6,27.11 v1(37,26.71)
RAW_MODE: length 57
  TOP w0.14: v1(10.84,72.79) 10.36,72.79 10.13,72.56 SW2.4 ; U12.C8 v1(41,40.31)
  L03_SIG1 w0.107: v1(10.84,72.79) 12.13,74.09 16.86,74.09 30.83,60.12 35.78,60.12 38.07,57.83 38.07,43.99 38.19,43.86 38.19,43.35 40.02,41.53 40.35,41.53 40.62,41.26 40.62,40.69 v1(41,40.31)
  BOTTOM w0.14: R176.2 10.13,72.56 10.36,72.79 v1(10.84,72.79)
RF_CONN_SPI_CS: length 110.1
  TOP w0.14: U3.19 81.2,88.29 v1(81.18,88.26) ; R85.1 v1(25.37,47.8)
  L08_SIG2 w0.107: v1(81.18,88.26) 81.18,90.49 81.07,90.6 80.59,90.6 80.49,90.49 80.49,82.7 80.38,82.6 79.47,82.6 79.37,82.7 79.37,88.92 79.09,89.2 71.85,89.2 68.67,86.03 68.67,82.98 67.15,81.45 51.15,81.45 44.54,74.85 41.12,74.85 37.31,71.04 37.31,53.01 35.05,50.75 28.32,50.75 v1(25.37,47.8)